# Altium PCB STM_W5500.PcbDoc
Units mil, origin at the board's own origin, x right, y up, seen from the top; angles counter-clockwise.
Board outline 2755.91 x 1811.02 mil, 2 copper layers (Top Layer, Bottom Layer), stack 42.17 mil thick; 105 components, 91 nets, 392 pads, 204 vias.
Unrouted connection lines stored in the file: 4.
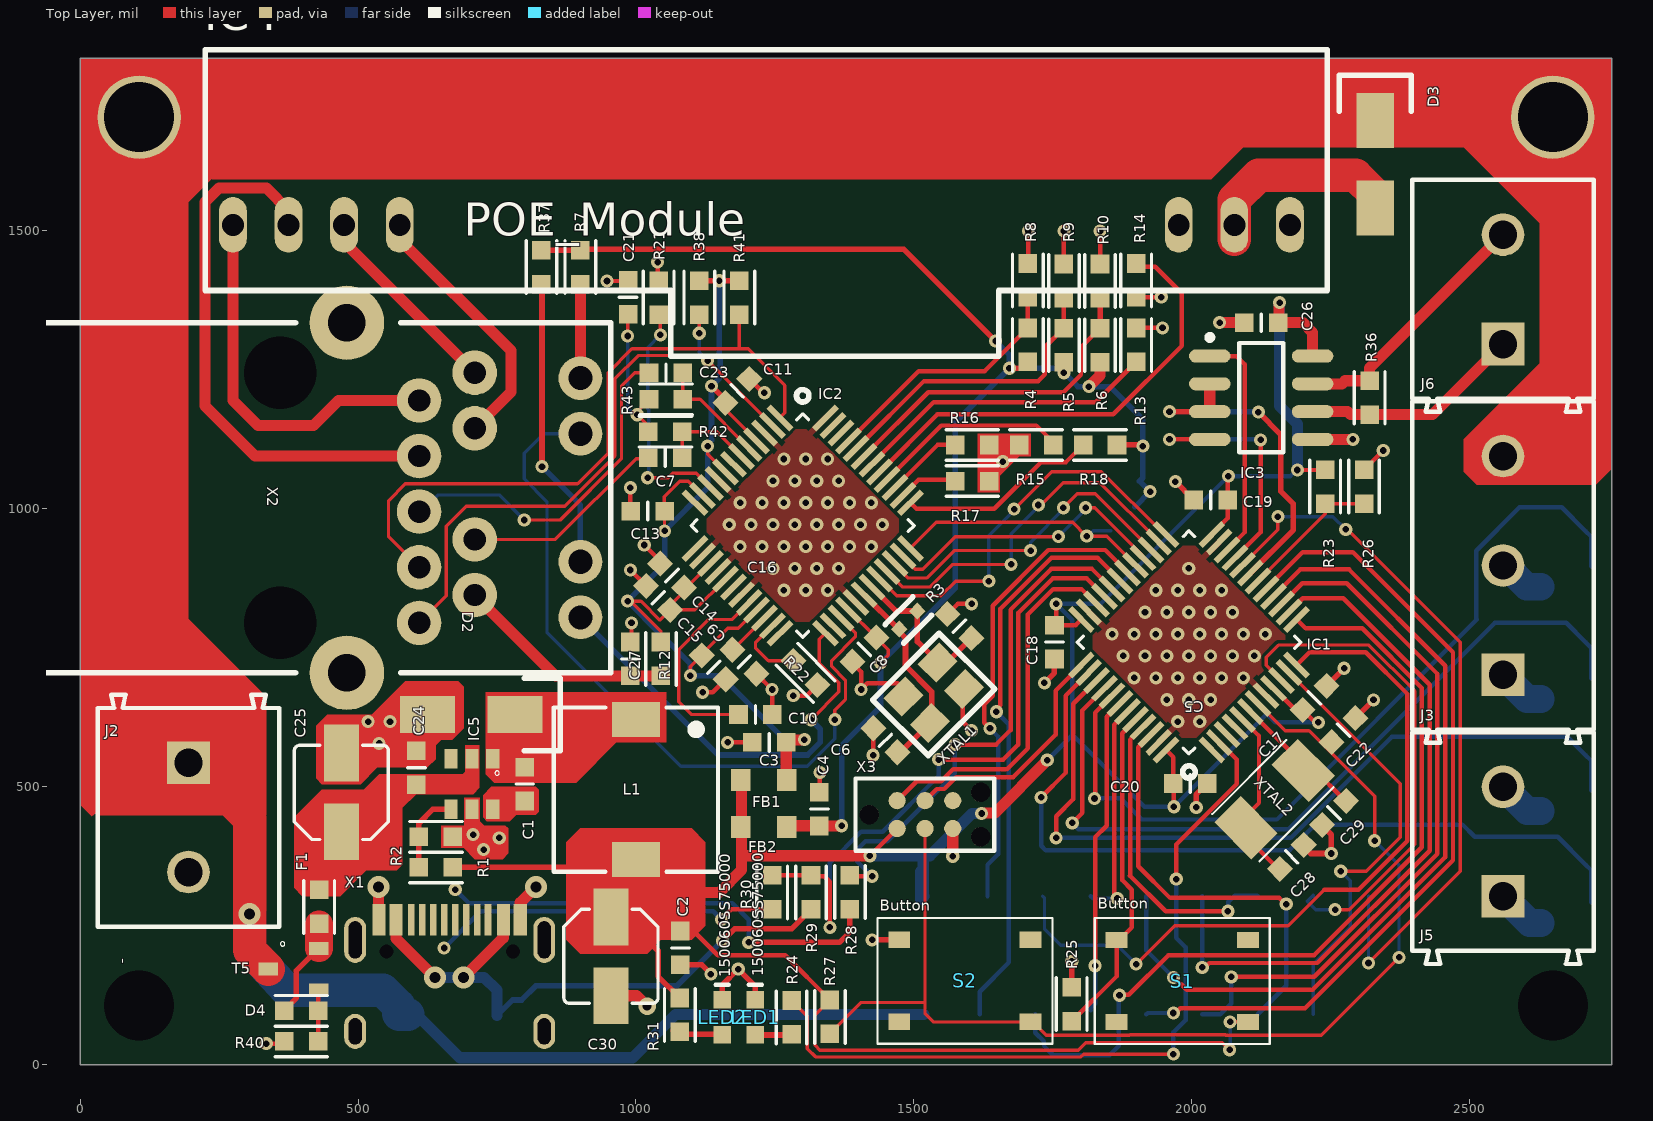
[diagram p0: Top Layer view]
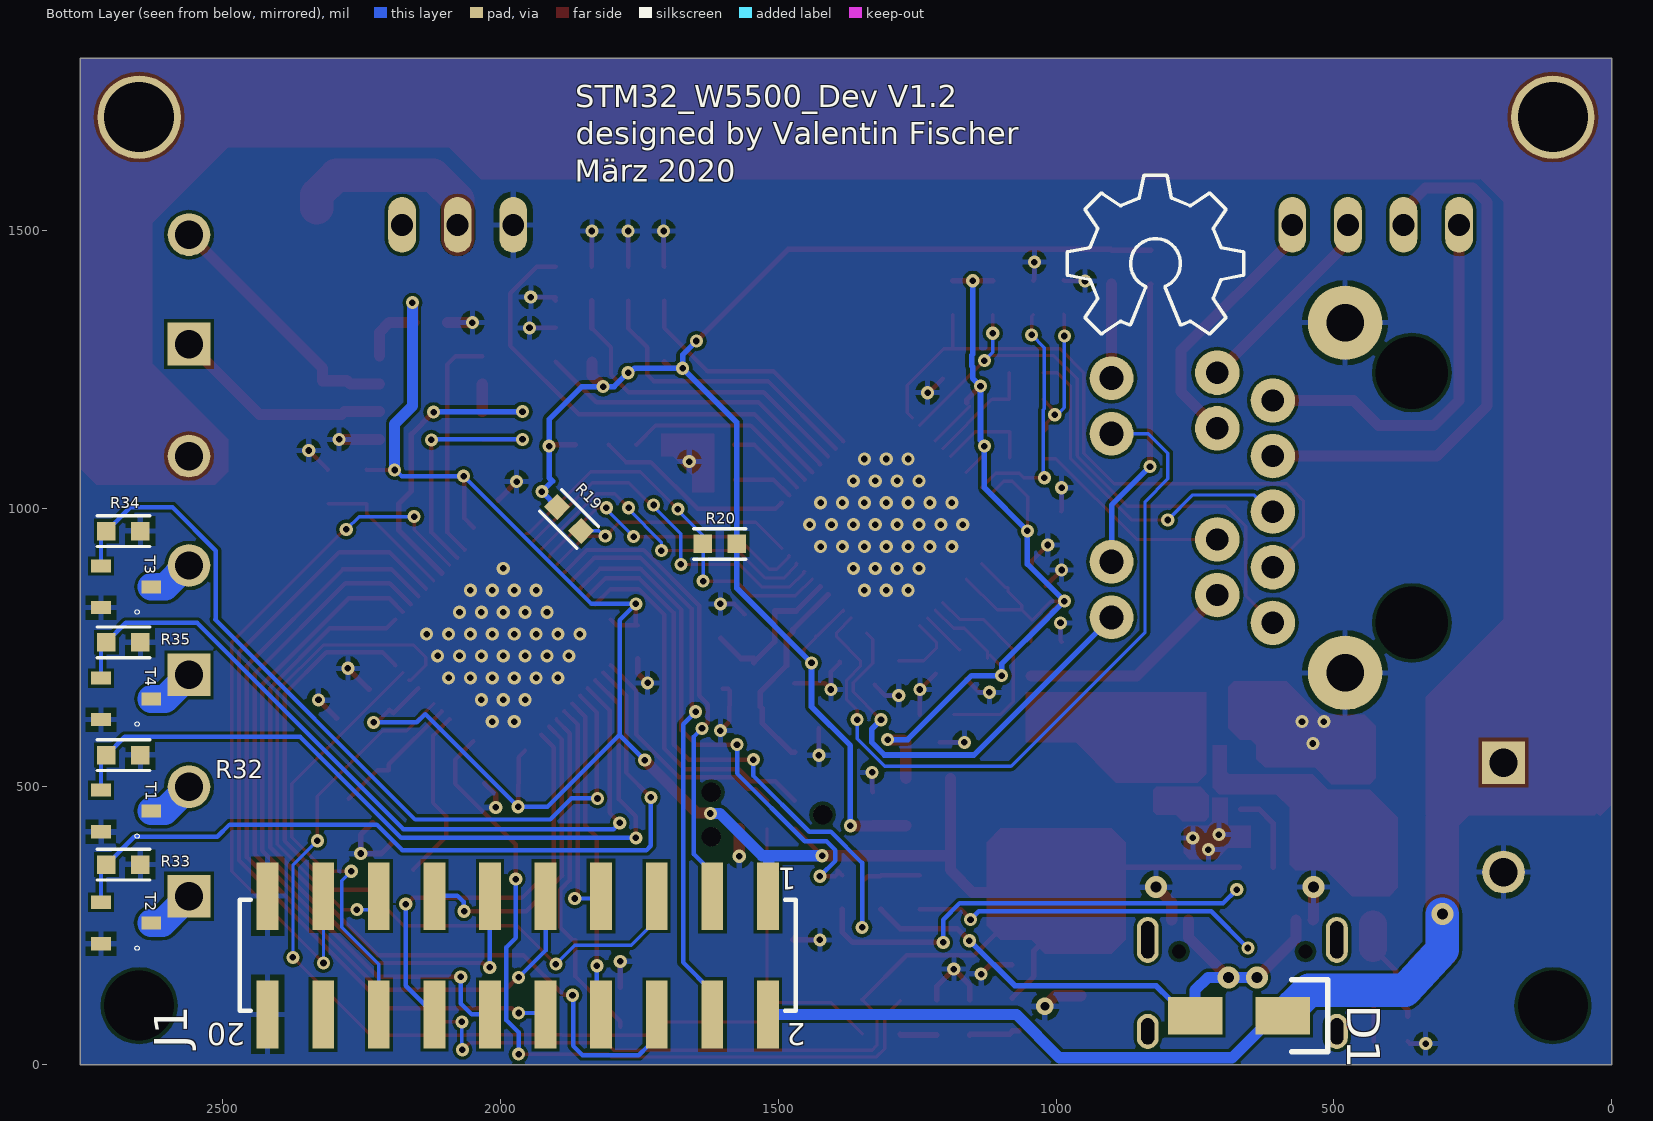
[diagram p1: Bottom Layer view, seen from below]
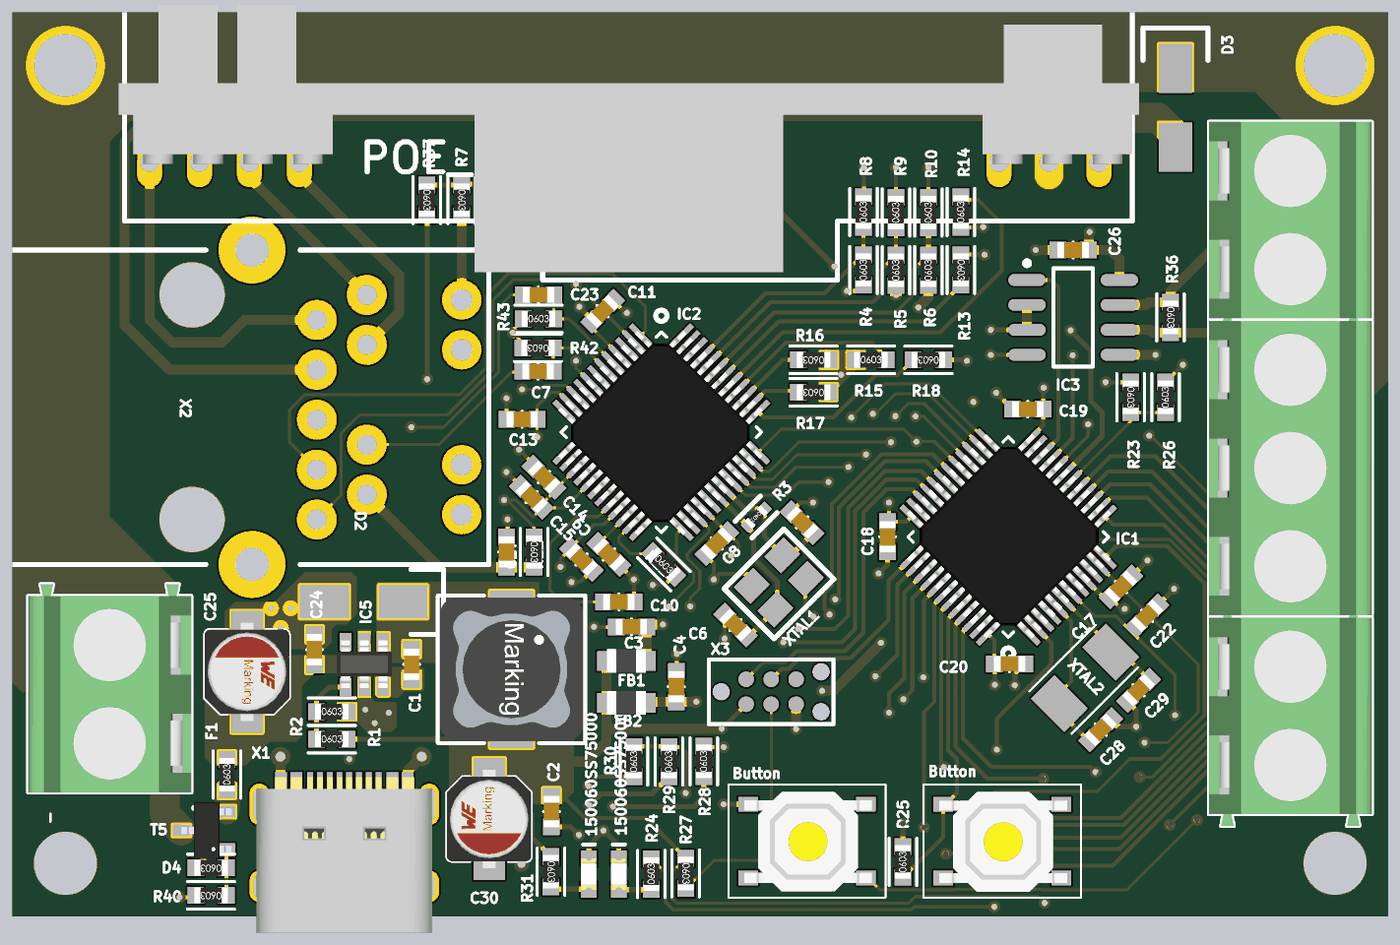
[diagram p2: 3D render of the assembled board from above, using the file's embedded part models]
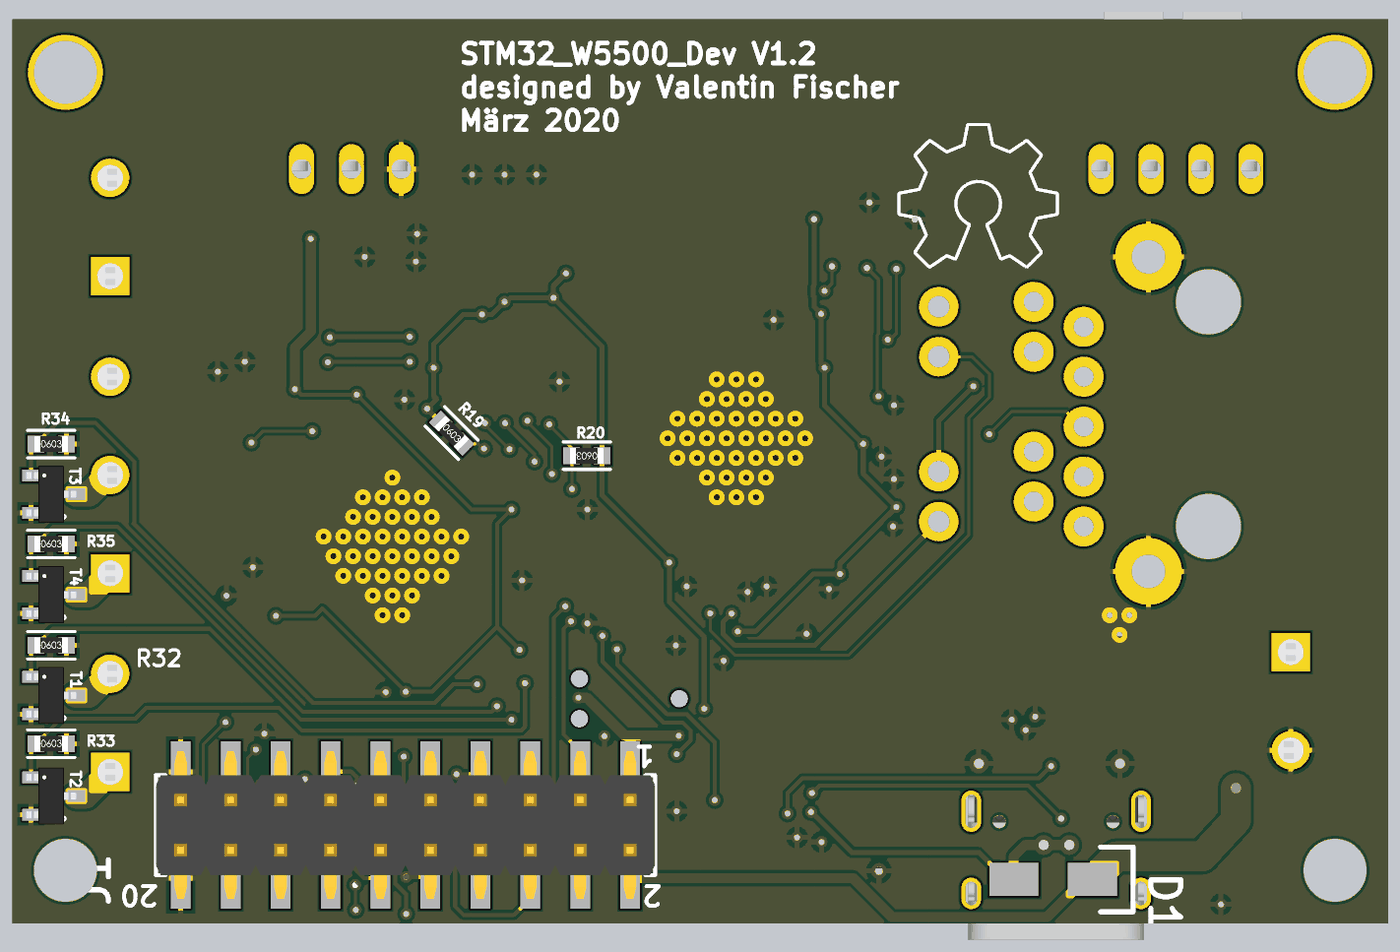
[diagram p3: 3D render of the assembled board from below, using the file's embedded part models]

## Layer stack, top to bottom
Top Solder: solder mask 0.4, Solder Resist, Dk 3.5
Top Layer: signal copper 1.4
Dielectric 1: dielectric 39.3701, FR-4, Dk 4.8
Bottom Layer: signal copper 1.4
Bottom Solder: solder mask 0.4, Solder Resist, Dk 3.5

## Board outline
0,0 0,1811.02 2755.91,1811.02 2755.91,0

## Design rules (kind name [scope] priority, off if disabled: settings)
Clearance [All] p1: gap=6 ignorepadtopadclearanceinfootprint=FALSE except(0: Arc-Hole Track-Hole SMDPad-Hole THPad-Hole Via-Hole Fill-Hole Poly-Hole Region-Hole Text-Hole; 10: Arc-Arc Arc-Track)
HoleSize [All] p1: absolutevalues=TRUE maxlimit=248.03 minlimit=7.87 maxpercent=80.000 minpercent=20.000
PolygonConnect [All] p1: connectstyle=Relief reliefconductorwidth=10 reliefentries=4 polygonreliefangle="90 Angle" airgapwidth=10
RoomDefinition µC [InComponentClass('µC')] p1: confinementstyle=ConfineIn formatcopy=TRUE lockcomponents=FALSE outline -1155,-1115 845,-1115 845,-115 -1155,-115
RoomDefinition Power [InComponentClass('Power')] p2: confinementstyle=ConfineIn formatcopy=TRUE lockcomponents=FALSE outline -1155,-1115 845,-1115 845,-115 -1155,-115
RoutingVias [All] p1: holewidth=11.81 width=23.62 viastyle="Through Hole" minholewidth=7.87 minwidth=17.72 maxholewidth=248.03 maxwidth=472.44
SolderMaskExpansion [All] p1: expansion=4
Width [All] p1: maxlimit=100 minlimit=5 preferedwidth=10 minimp=50.000000 maximp=50.000000 favimp=50.000000
29 further rules are at their usual default settings.

## Classes and differential pairs
component class Power: C1 C2 C24 C25 C30 D1 D2 D3 D4 D? F1 IC5 J1 J2 J3 J5 J? L1 LED2 R1 R2 R31 R32 R33 R34 R35 R40 T1 T2 T3 T4 T5
component class W5500: C3 C4 C5 C6 C7 C8 C9 C10 C11 C13 C14 C15 C16 C21 C23 C27 FB1 FB2 IC2 IC4 R3 R4 R5 R6 R7 R8 R9 R10 R12 R13 R14 R15 R16 R17 R18 R19 R20 R21 R22 R37 R38 R41 R42 R43 X2 XTAL1 Y1
component class µC: C17 C18 C19 C20 C22 C26 C28 C29 IC1 IC3 J6 LED1 R23 R24 R25 R26 R27 R28 R29 R30 R36 S1 S2 S? X1 X3 XTAL2

## Components (designator, comment, footprint, x,y, rotation, side; value= is the part's Value field where it differs from the comment)
C1 "0.022µF" SMD-0603C 800,505 r180 top
C2 "0.10µF" SMD-0603C 1080,210 r0 top
C3 "22µF" SMD-0603C 1240,580 r270 top
C4 "22µF" SMD-0603C 1330,460 r180 top
C5 "22pF" SMD-0603C 1582,789 r45 top
C6 "22pF" SMD-0603C 1448.72,583.72 r45 top
C7 "6800pF" SMD-0603C 1053,1092 r270 top
C8 "22uF" SMD-0603C 1411,747 r315 top
C9 "10nF" SMD-0603C 1195,725 r45 top
C10 "4.7uF" SMD-0603C 1215,630 r90 top
C11 "0.10µF" SMD-0603C 1182.38,1212.38 r135 top
C13 "0.10µF" SMD-0603C 1021,996 r270 top
C14 "0.10µF" SMD-0603C 1065,880 r225 top
C15 "0.10µF" SMD-0603C 1040,840 r225 top
C16 "0.10µF" SMD-0603C 1140,715 r45 top
C17 "0.10µF" SMD-0603C 2221,660 r135 top
C18 "0.10µF" SMD-0603C 1753,760.49 r0 top
C19 "0.10µF" SMD-0603C 2034,1016 r270 top
C20 "0.10µF" SMD-0603C 1997.49,506 r90 top
C21 "0.10µF" SMD-0603C 986,1381 r0 top
C22 "0.10µF" SMD-0603C 2273,602 r135 top
C23 "6800pF" SMD-0603C 1054,1245 r270 top
C24 "0.10µF" SMD-0603C 605,534.49 r180 top
C25 "865080140001" WCAP-ASLI_4x5.5 470,490 r270 top value=22uF
C26 "0.10µF" SMD-0603C 2125,1335 r270 top
C27 "22nF" SMD-0603C 990,730 r0 top
C28 "20pF" SMD-0603C 2180,374 r315 top
C29 "20pF" SMD-0603C 2256,453 r135 top
C30 "865080140001" WCAP-ASLI_4x5.5 955,195 r90 top value=22uF
D1 "SS34" B240A 671,88 r180 bottom
D2 "SS34" B240A 703.74,630 r0 top
D3 "SS34" B240A 2330,1620 r90 top
D4 "BZM55" SMD-0603-RES 398,97 r90 top
Designator65 "Comment" NC3FAAV1#1 49565,48885 r0 top
Designator72 "Comment" NC3FAAV1#2 3510,714 r0 top
Designator73 "Comment" NC3FAAV1#2 4284,426 r0 top
F1 "0R" SMD-0603-RES 430,284 r0 top
FB1 "600Ohm, 0.2A" "WE-CBF_0805_High Speed" 1230,512 r0 top
FB2 "600Ohm, 0.2A" "WE-CBF_0805_High Speed" 1230,428 r0 top
IC1 "STM32F072C8U6" LQFP-48 1995,760 r135 top
IC2 "W5500" LQFP-48 1300,970 r315 top
IC3 "MAX485" D008_L 2125,1200 r0 top
IC4 "POE_Module" POE_Module 275,1511 r0 top
IC5 "ACT4088" SOT23-6 705,505 r180 top
J1 "2.54 mm_SMD_Vertical_20 pin" 61002021121 1968.5,196.85 r0 bottom locked
J2 "691213710002" 691213710002 195,445 r270 top
J3 "691213710003" 691213710003 2560,898.15 r90 top
J5 "691213710002" 691213710002 2560,401.58 r90 top
J6 "691213710002" 691213710002 2560,1395 r90 top
L1 "4.7uH, 2.32A" WE-PD_7332 1000,495 r270 top
LED1 "150060SS75000" 0603_A 1215,85 r270 top
LED2 "150060SS75000" 0603_A 1155,85 r270 top
R1 "10k" SMD-0603-RES 640,355 r270 top
R2 "3k3" SMD-0603-RES 640,410 r270 top
R3 "1M" SMD-0402-RES 1490,800 r135 top
R4 "10k" SMD-0603-RES 1705,1295 r0 top
R5 "10k" SMD-0603-RES 1770,1294.49 r0 top
R6 "10k" SMD-0603-RES 1835,1294.49 r0 top
R7 "330" SMD-0603-RES 900,1435 r180 top
R8 "10k" SMD-0603-RES 1705,1411 r0 top
R9 "10k" SMD-0603-RES 1770,1410 r0 top
R10 "10k" SMD-0603-RES 1835,1410 r0 top
R12 "10" SMD-0603-RES 1045,730 r180 top
R13 "10k" SMD-0603-RES 1900,1295 r180 top
R14 "10k" SMD-0603-RES 1900,1411 r0 top
R15 "10k" SMD-0603-RES 1720,1115 r270 top
R16 "10k" SMD-0603-RES 1605,1115 r90 top
R17 "10k" SMD-0603-RES 1605,1050 r90 top
R18 "10k" SMD-0603-RES 1835,1115 r90 top
R19 "10k" SMD-0603-RES 1876,982 r315 bottom
R20 "10k" SMD-0603-RES 1605,937 r90 bottom
R21 "12k4" SMD-0603-RES 1041,1380 r0 top
R22 "10k" SMD-0603-RES 1305,705 r225 top
R23 "10k" SMD-0603-RES 2240,1040 r180 top
R24 "330" SMD-0603-RES 1280,85 r0 top
R25 "10k" SMD-0603-RES 1784,109 r0 top
R26 "10k" SMD-0603-RES 2310,1040 r0 top
R27 "10k" SMD-0603-RES 1349,86 r180 top
R28 "20" SMD-0603-RES 1385,310.51 r0 top
R29 "4.7k" SMD-0603-RES 1315,310 r0 top
R30 "20" SMD-0603-RES 1245,310 r0 top
R31 "1k" SMD-0603-RES 1079,89.49 r180 top
R32 "4.7k" SMD-0603-RES 2678,557 r270 bottom
R33 "4.7k" SMD-0603-RES 2678,360 r270 bottom
R34 "4.7k" SMD-0603-RES 2678,960 r270 bottom
R35 "4.7k" SMD-0603-RES 2678,760 r270 bottom
R36 "120R" SMD-0603-RES 2320,1200 r180 top
R37 "330" SMD-0603-RES 830,1435 r180 top
R38 "49.9" SMD-0603-RES 1114,1380 r180 top
R40 "100k" SMD-0603-RES 398,42 r90 top
R41 "49.9" SMD-0603-RES 1186,1380 r180 top
R42 "49.9" SMD-0603-RES 1053,1139 r90 top
R43 "49.9" SMD-0603-RES 1054,1197 r270 top
S1 "Button" Button5050 1864.78,224.41 r0 top
S2 "Button" Button5050 1473.78,224.64 r0 top
T1 "AO3400" SOT23 2673,456.58 r90 bottom
T2 "AO3400" SOT23 2673,255 r90 bottom
T3 "AO3400" SOT23 2673,859.73 r90 bottom
T4 "AO3400" SOT23 2673,658.16 r90 bottom
T5 "AO3401" SOT23 384,172 r270 top
X1 "USB-C" USB-C 665,60 r0 top
X2 "HR971169C" HR971169C 360,1020 r90 top
X3 "ICSP" TC2030-MCP-NL 1420,450 r0 top
XTAL1 "Crystal" 3225 1590,676 r225 top
XTAL2 "Crystal 5032" 5032 2149,478 r45 top

## Footprints (in the part's own frame and the unit in brackets; to place one, negate y for a bottom-side part, rotate by r counter-clockwise, add the part's x,y. Pads: shape width x height; smd on the part's side, far side on the other; paste and mask are expansions set on the pad)
0603_A [mm] "Chip LED, 2-Leads, Body 1.6x0.8mm, IPC Medium Density"
  rect 0.8x0.8 smd: 1(-0.8,0) 2(0.8,0)
  silkscreen extent -1.5,-0.3 -1.5,0.3, body extent -0.8,-0.4 0.8,0.4, height 0.68
3225 [mm] "Quarz 3225"
  rect 1.4x1.2 smd: 1(0,-1.7) 2(2.2,-1.7) 3(2.2,0) 4(0,0)
  silkscreen extent -1,-2.6 3.3,1
5032 [mm]
  rect 1.7x2.4 smd: 1(-1.85,0) 2(1.85,0)
  silkscreen extent -2.5,-1.52 2.29,1.52
61002021121 [mm] "Pin Header, pitch 2.54 mm, SMD, Vertical, dual row, 20p"
  rect 1x3.1 smd: 1(-11.43,-2.7) 2(-11.43,2.7) 3(-8.89,-2.7) 4(-8.89,2.7) 5(-6.35,-2.7) 6(-6.35,2.7) 7(-3.81,-2.7) 8(-3.81,2.7) 9(-1.27,-2.7) 10(-1.27,2.7) 11(1.27,-2.7) 12(1.27,2.7) 13(3.81,-2.7) 14(3.81,2.7) 15(6.35,-2.7) 16(6.35,2.7) 17(8.89,-2.7) 18(8.89,2.7) 19(11.43,-2.7) 20(11.43,2.7)
  silkscreen extent -12.7,-2.54 12.7,2.54, body extent -12.7,-3.75 12.7,3.75, height 9.62
691213710002 [mm] "5,00mm - modular - green - Horizontal entry with rising cage clamp -  10,0mm height - 02p"
  rect 1.95x1.95 hole 1.3: 1(-2.5,0)
  round 1.95 hole 1.3: 2(2.5,0)
  silkscreen extent -5.6,-4.15 5,4.15, body extent -5.6,-4.15 5,4.15, height 10.05
691213710003 [mm] "5,00mm - modular - green - Horizontal entry with rising cage clamp -  10,0mm height - 03p"
  rect 1.95x1.95 hole 1.3: 1(-5,0)
  round 1.95 hole 1.3: 2(0,0) 3(5,0)
  silkscreen extent -8.1,-4.15 7.5,4.15, body extent -8.1,-4.15 7.5,4.15, height 10.05
B240A [mm]
  rect 2.5x1.7 smd: A(-2,0) K(2,0)
  silkscreen extent 2.41,-1.65 4.06,1.65, body extent -2.03,-0.89 2.03,0.89, height 1.52
Button5050 [mm]
  rect 1x0.75 smd: 1(0,0) 2(6,-3.75) 3(0,-3.75) 4(6,0)
  silkscreen extent -1,-4.75 7,1, body extent -0.2,-4.44 6.3,0.64, height 1.52
D008_L [mm] "8-Pin Small Outline Integrated Circuit 1.27 mm Pitch, IPC High Density"
  oval 1.9x0.6 smd: 1(-2.35,1.905) 2(-2.35,0.635) 3(-2.35,-0.635) 4(-2.35,-1.905) 5(2.35,-1.905) 6(2.35,-0.635) 7(2.35,0.635) 8(2.35,1.905)
  silkscreen extent -2.47,-2.5 1,2.88, body extent -1.95,-2.45 1.95,2.45, height 1.75
HR971169C [mm]
  round 0 hole 3.31: 0(-5.715,0) 0(5.715,0)
  round 2.032 hole 1.016: 1(-5.715,-6.35) 2(-4.445,-8.89) 3(-3.175,-6.35) 4(-1.905,-8.89) 5(-0.635,-6.35) 7(1.905,-6.35) 8(4.445,-6.35) 9(3.175,-8.89) 10(5.715,-8.89)
  round 2 hole 1.1: 11(-5.465,-13.72) 12(-2.925,-13.72) 13(2.925,-13.72) 14(5.465,-13.72)
  round 3.4 hole 1.71: 15(-8,-3.05) 15(8,-3.05)
  silkscreen extent -8,-15.1 8,10.92, body extent -8,-15.11 7.87,10.79, height 13.5
LQFP-48 [mil] "LQFP 48 Pins"
  rect 58x11 smd: 1(-166,108) 2(-166,89) 3(-166,69) 4(-166,49) 5(-166,30) 6(-166,10) 7(-166,-10) 8(-166,-30) 9(-166,-49) 10(-166,-69) 11(-166,-89) 12(-166,-108) 25(166,-108) 26(166,-89) 27(166,-69) 28(166,-49) 29(166,-30) 30(166,-10) 31(166,10) 32(166,30) 33(166,49) 34(166,69) 35(166,89) 36(166,108)
  rect 11x58 smd: 13(-108,-166) 14(-89,-166) 15(-69,-166) 16(-49,-166) 17(-30,-166) 18(-10,-166) 19(10,-166) 20(30,-166) 21(49,-166) 22(69,-166) 23(89,-166) 24(108,-166) 37(108,166) 38(89,166) 39(69,166) 40(49,166) 41(30,166) 42(10,166) 43(-10,166) 44(-30,166) 45(-49,166) 46(-69,166) 47(-89,166) 48(-108,166)
  silkscreen extent -176,-142 142,176, body extent -177,-180 177,175, height 58
NC3FAAV1#1 [mm] "Neutrik XLR"
  round 2.4 hole 1.6: 1(3.81,0) 2(-3.81,0)
  round 1.8 hole 1.2: 3(0,-4.45)
  body extent -12.5,-14 12.85,16.65, height 27.9
NC3FAAV1#2 [mm] "Neutrik XLR"
  round 2.4 hole 1.6: 1(3.81,0) 2(-3.81,0)
  round 1.8 hole 1.2: 3(0,-4.25)
  body extent -12.85,-14 12.5,16.65, height 31.9
POE_Module [mm]
  oval 1.27x2.54 hole 1: 1(0,0) 2(2.54,0) 3(5.08,0) 4(7.62,0) 5(43.22,0) 6(45.76,0) 7(48.3,0)
  silkscreen extent -1.27,-6 50,8, body extent -1.57,-5.59 50.33,8.01, height 14.92
SMD-0402-RES [mm]
  rect 0.55x0.55 smd: 1(0,0.584) 2(0,-0.584)
  silkscreen extent -0.6,-0.9 0.6,0.9, body extent -0.28,-0.57 0.27,0.58, height 0.41
SMD-0603-RES [mm]
  rect 0.85x0.85 smd: 1(0,0.775) 2(0,-0.775)
  silkscreen extent -0.7,-1.2 0.7,1.2, body extent -0.4,-0.85 0.4,0.85, height 0.56
SMD-0603C [mm]
  rect 0.85x0.85 smd: 1(0,0.775) 2(0,-0.775)
  silkscreen extent -0.4,0 0.4,0, body extent -0.4,-0.8 0.4,0.8, height 0.9
SOT23 [mm]
  rect 0.6x0.9 smd: D(0,-1.15) G(0.95,1.15) S(-0.95,1.15)
  silkscreen extent -1.25,-0.6 -1.05,-0.4, body extent -1.45,-1.17 1.45,1.43, height 1
SOT23-6 [mm]
  rect 0.6x0.9 smd: 1(-0.95,-1.15) 2(0,-1.15) 3(0.95,-1.15) 4(0.95,1.15) 5(0,1.15) 6(-0.95,1.15)
  silkscreen extent -1.25,-0.6 -1.05,-0.4, body extent -1.4,-1.21 1.4,1.21, height 1.09
TC2030-MCP-NL [mil]
  round 31 smd: 1(50,-25) 2(50,25) 3(100,-25) 4(100,25) 5(150,-25) 6(150,25)
  round 34 hole 35 unplated: A(0,0) B(200,40) C(200,-40)
  silkscreen extent -25,-65 225,65
USB-C [mm] "USB-C Buchse"
  oval 1x1.6 hole 0.6 slot 1.2 at 90 deg: 1(-4.32,0) 1(4.32,0)
  oval 1x2.1 hole 0.6 slot 1.7 at 90 deg: 1(-4.32,4.18) 1(4.32,4.18)
  round 0 hole 0.65: 1(-2.89,3.65) 1(2.89,3.65)
  rect 0.3x1.45 smd: CC(-1.75,5.095) CC(1.25,5.095) DN(-0.25,5.095) DN(0.75,5.095) DP(-0.75,5.095) DP(0.25,5.095) SBU(-1.25,5.095) SBU(1.75,5.095)
  rect 0.6x1.45 smd: GND(-3.225,5.095) GND(3.225,5.095) VBUS(-2.45,5.095) VBUS(2.45,5.095)
  body extent -4.47,-2.35 4.47,5.55, height 3.21
WCAP-ASLI_4x5.5 [mm] "Aluminium Electrolytic V-Chip SMT Capacitors, §¶4x5.5mm"
  rect 2.6x1.6 smd: 1(1.8,0) 2(-1.8,0)
  silkscreen extent -2.15,-2.15 2.15,2.15, body extent -2.5,-2.15 2.5,2.15, height 5.5
"WE-CBF_0805_High Speed" [mm] "SMD EMI Suppression Ferrite  Bead, body 2x1.2mm"
  rect 0.9x1 smd: 1(-1.05,0) 2(1.05,0)
  body extent -1,-0.6 1,0.6, height 0.9
WE-PD_7332 [mm] "SMT Shielded Power Inductor, 2-leads, body 7.3x7.3mm"
  rect 1.6x2.2 smd: 1(-3.2,0) 2(3.2,0)
  silkscreen extent -3.75,-3.75 3.75,3.75, body extent -3.65,-3.65 3.65,3.65, height 3.12

## Part data
C1: library part GCJ188R71H223KA01D, "CAP CER 0.022UF 50V X7R 0603", Digi-Key Part Number=490-5851-1-ND, Manufacturer="Murata Electronics North America", Operating Temperature="-55°C ~ 125°C", Package / Case="0603 (1608 Metric)", Ratings=AEC-Q200, Temperature Coefficient=X7R, Tolerance=±10%, Voltage=50V, @ qty=0, Applications="Automotive, Boardflex Sensitive", Datasheets=http://www.murata.com/~/media/webrenewal/support/library/catalog/products/capacitor/mlcc/c03e.ashx, Factory Stock=0, Features="Soft Termination", Height - Seated (Max)=-, Image=//media.digikey.com/Renders/Murata%20Renders/0603%28LQG18%29.jpg, Lead Spacing=-, Lead Style=-, Minimum Quantity=1, Mounting Type="Surface Mount, MLCC", Packaging="Cut Tape (CT)", Part Number=GCJ188R71H223KA01D, Part Status=Active, Quantity Available=7651, Series=GCJ, Size / Dimension="0.063\" L x 0.031\" W (1.60mm x 0.80mm)", Thickness (Max)="0.031\" (0.80mm)", Unit Price (USD)=0.22
C2 C11 C13 C14 C15 C16 C17 C18 C19 C20 C22 C24 C26 C28 C29: library part GCM188R71C104KA37J, "CAP CER 0.1UF 16V X7R 0603", Digi-Key Part Number=490-8015-1-ND, Manufacturer="Murata Electronics North America", Operating Temperature="-55°C ~ 125°C", Package / Case="0603 (1608 Metric)", Ratings=AEC-Q200, Temperature Coefficient=X7R, Tolerance=±10%, Voltage=16V, @ qty=0, Applications=Automotive, Datasheets=http://www.murata.com/~/media/webrenewal/support/library/catalog/products/capacitor/mlcc/c03e.ashx, Factory Stock=0, Features=-, Height - Seated (Max)=-, Image=//media.digikey.com/Renders/Murata%20Renders/0603%28GCM188%29.jpg, Lead Spacing=-, Lead Style=-, Minimum Quantity=1, Mounting Type="Surface Mount, MLCC", Packaging="Cut Tape (CT)", Part Number=GCM188R71C104KA37J, Part Status=Active, Quantity Available=17844, Series=GCM, Size / Dimension="0.063\" L x 0.031\" W (1.60mm x 0.80mm)", Thickness (Max)="0.035\" (0.90mm)", Unit Price (USD)=0.18
C3 C4: library part ZRB186R60G226ME11L, "CAP CER 22UF 4V X5R 0603", Digi-Key Part Number=490-13253-1-ND, Manufacturer="Murata Electronics North America", Operating Temperature="-55°C ~ 85°C", Package / Case="0603 (1608 Metric)", Ratings=-, Temperature Coefficient=X5R, Tolerance=±20%, Voltage=4V, @ qty=0, Applications="Acoustic Noise Reduction", Datasheets=http://psearch.en.murata.com/capacitor/product/ZRB186R60G226ME11%23.pdf, Factory Stock=0, Features="Interposer Termination", Height - Seated (Max)=-, Image=//media.digikey.com/Renders/Murata%20Renders/0603%20(1608%20Metric).jpg, Lead Spacing=-, Lead Style=-, Minimum Quantity=1, Mounting Type="Surface Mount, MLCC", Packaging="Cut Tape (CT)", Part Number=ZRB186R60G226ME11L, Part Status=Active, Quantity Available=3925, Series=ZRB, Size / Dimension="0.063\" L x 0.031\" W (1.60mm x 0.80mm)", Thickness (Max)="0.031\" (0.80mm)", Unit Price (USD)=0.36
C5 C6 C27: library part GCM188R72A223KA37D, "CAP CER 0.022UF 100V X7R 0603", Digi-Key Part Number=490-4782-1-ND, Manufacturer="Murata Electronics North America", Operating Temperature="-55°C ~ 125°C", Package / Case="0603 (1608 Metric)", Ratings=AEC-Q200, Temperature Coefficient=X7R, Tolerance=±10%, Voltage=100V, @ qty=0, Applications=Automotive, Datasheets=http://www.murata.com/~/media/webrenewal/support/library/catalog/products/capacitor/mlcc/c03e.ashx, Factory Stock=0, Features=-, Height - Seated (Max)=-, Image=//media.digikey.com/Renders/Murata%20Renders/0603%28GCM188%29.jpg, Lead Spacing=-, Lead Style=-, Minimum Quantity=1, Mounting Type="Surface Mount, MLCC", Packaging="Cut Tape (CT)", Part Number=GCM188R72A223KA37D, Part Status=Active, Quantity Available=102005, Series=GCM, Size / Dimension="0.063\" L x 0.031\" W (1.60mm x 0.80mm)", Thickness (Max)="0.035\" (0.90mm)", Unit Price (USD)=0.11
C7 C23: library part GCM188R71H682KA37D, "CAP CER 6800PF 50V X7R 0603", Digi-Key Part Number=490-6055-1-ND, Manufacturer="Murata Electronics North America", Operating Temperature="-55°C ~ 125°C", Package / Case="0603 (1608 Metric)", Ratings=AEC-Q200, Temperature Coefficient=X7R, Tolerance=±10%, Voltage=50V, @ qty=0, Applications=Automotive, Datasheets=http://www.murata.com/~/media/webrenewal/support/library/catalog/products/capacitor/mlcc/c03e.ashx, Factory Stock=0, Features=-, Height - Seated (Max)=-, Image=//media.digikey.com/Renders/Murata%20Renders/0603%28GCM188%29.jpg, Lead Spacing=-, Lead Style=-, Minimum Quantity=1, Mounting Type="Surface Mount, MLCC", Packaging="Cut Tape (CT)", Part Number=GCM188R71H682KA37D, Part Status=Active, Quantity Available=31753, Series=GCM, Size / Dimension="0.063\" L x 0.031\" W (1.60mm x 0.80mm)", Thickness (Max)="0.035\" (0.90mm)", Unit Price (USD)=0.1
C8: library part GCM188R71C104KA37J, "CAP CER 0.1UF 16V X7R 0603", Digi-Key Part Number=490-8015-1-ND, Manufacturer="Murata Electronics North America", Operating Temperature="-55°C ~ 125°C", Package / Case="0603 (1608 Metric)", Ratings=AEC-Q200, Temperature Coefficient=X7R, Tolerance=±10%, Voltage=6.3V, @ qty=0, Applications=Automotive, Datasheets=http://www.murata.com/~/media/webrenewal/support/library/catalog/products/capacitor/mlcc/c03e.ashx, Factory Stock=0, Features=-, Height - Seated (Max)=-, Image=//media.digikey.com/Renders/Murata%20Renders/0603%28GCM188%29.jpg, Lead Spacing=-, Lead Style=-, Minimum Quantity=1, Mounting Type="Surface Mount, MLCC", Packaging="Cut Tape (CT)", Part Number=GCM188R71C104KA37J, Part Status=Active, Quantity Available=17844, Series=GCM, Size / Dimension="0.063\" L x 0.031\" W (1.60mm x 0.80mm)", Thickness (Max)="0.035\" (0.90mm)", Unit Price (USD)=0.18
C9 C21: library part GCJ188R71C104KA01D, "CAP CER 0.1UF 16V X7R 0603", Digi-Key Part Number=490-5796-1-ND, Manufacturer="Murata Electronics North America", Operating Temperature="-55°C ~ 125°C", Package / Case="0603 (1608 Metric)", Ratings=AEC-Q200, Temperature Coefficient=X7R, Tolerance=±10%, Voltage=16V, @ qty=0, Applications="Automotive, Boardflex Sensitive", Datasheets=http://www.murata.com/~/media/webrenewal/support/library/catalog/products/capacitor/mlcc/c03e.ashx, Factory Stock=0, Features="Soft Termination", Height - Seated (Max)=-, Image=//media.digikey.com/Renders/Murata%20Renders/0603%28LQG18%29.jpg, Lead Spacing=-, Lead Style=-, Minimum Quantity=1, Mounting Type="Surface Mount, MLCC", Packaging="Cut Tape (CT)", Part Number=GCJ188R71C104KA01D, Part Status=Active, Quantity Available=22473, Series=GCJ, Size / Dimension="0.063\" L x 0.031\" W (1.60mm x 0.80mm)", Thickness (Max)="0.035\" (0.90mm)", Unit Price (USD)=0.21
C10: library part GCJ188R71C104KA01D, "CAP CER 0.1UF 16V X7R 0603", Digi-Key Part Number=490-5796-1-ND, Manufacturer="Murata Electronics North America", Operating Temperature="-55°C ~ 125°C", Package / Case="0603 (1608 Metric)", Ratings=AEC-Q200, Temperature Coefficient=X7R, Tolerance=±10%, Voltage=6.3V, @ qty=0, Applications="Automotive, Boardflex Sensitive", Datasheets=http://www.murata.com/~/media/webrenewal/support/library/catalog/products/capacitor/mlcc/c03e.ashx, Factory Stock=0, Features="Soft Termination", Height - Seated (Max)=-, Image=//media.digikey.com/Renders/Murata%20Renders/0603%28LQG18%29.jpg, Lead Spacing=-, Lead Style=-, Minimum Quantity=1, Mounting Type="Surface Mount, MLCC", Packaging="Cut Tape (CT)", Part Number=GCJ188R71C104KA01D, Part Status=Active, Quantity Available=22473, Series=GCJ, Size / Dimension="0.063\" L x 0.031\" W (1.60mm x 0.80mm)", Thickness (Max)="0.035\" (0.90mm)", Unit Price (USD)=0.21
C25 C30: "WCAP-ASLI Aluminum Electrolytic Capacitors, size ?4x5.5mm, 6.3V DC, 22uF", Operating Temperature="-55 °C up to +105 °C", Rated Voltage="6.3V DC", ComponentLink1Description=Manufacturer, ComponentLink1URL=http://www.we-online.de, ComponentLink2Description=Datasheet, ComponentLink2URL=http://katalog.we-online.de/pbs/datasheet/865080140001.pdf, Life Cycle=2000h, Part Number=865080140001, Published Date="June 2017", Publisher="Wurth Elektronik", Size=?4x5.5mm
D1 D2 D3: library part B240A, "Shottkydiode"
F1 R1 R2 R31: library part ERJ-3EKF1001V, "RES SMD 1K OHM 1% 1/10W 0603", Digi-Key Part Number=P1.00KHCT-ND, Manufacturer="Panasonic Electronic Components", Operating Temperature="-55°C ~ 155°C", Package / Case="0603 (1608 Metric)", Power (Watts)="0.1W, 1/10W", Supplier Device Package=0603, Temperature Coefficient=±100ppm/°C, Tolerance=±1%, @ qty=1500, Composition="Thick Film", Datasheets=http://industrial.panasonic.com/www-cgi/jvcr13pz.cgi?E+PZ+3+AOA0002+ERJ3EKF1001V+7+WW, Factory Stock=0, Failure Rate=-, Features="Automotive AEC-Q200", Height - Seated (Max)="0.022\" (0.55mm)", Image=//media.digikey.com/Photos/Panasonic%20Photos/MFG_ERJ-P6W%20Series.jpg, Minimum Quantity=1, Number of Terminations=2, Packaging="Cut Tape (CT)", Part Number=ERJ-3EKF1001V, Part Status=Active, Quantity Available=5218845, Series=ERJ, Size / Dimension="0.063\" L x 0.031\" W (1.60mm x 0.80mm)", Unit Price (USD)=0.00379